# KiCad board IotFan.kicad_pcb
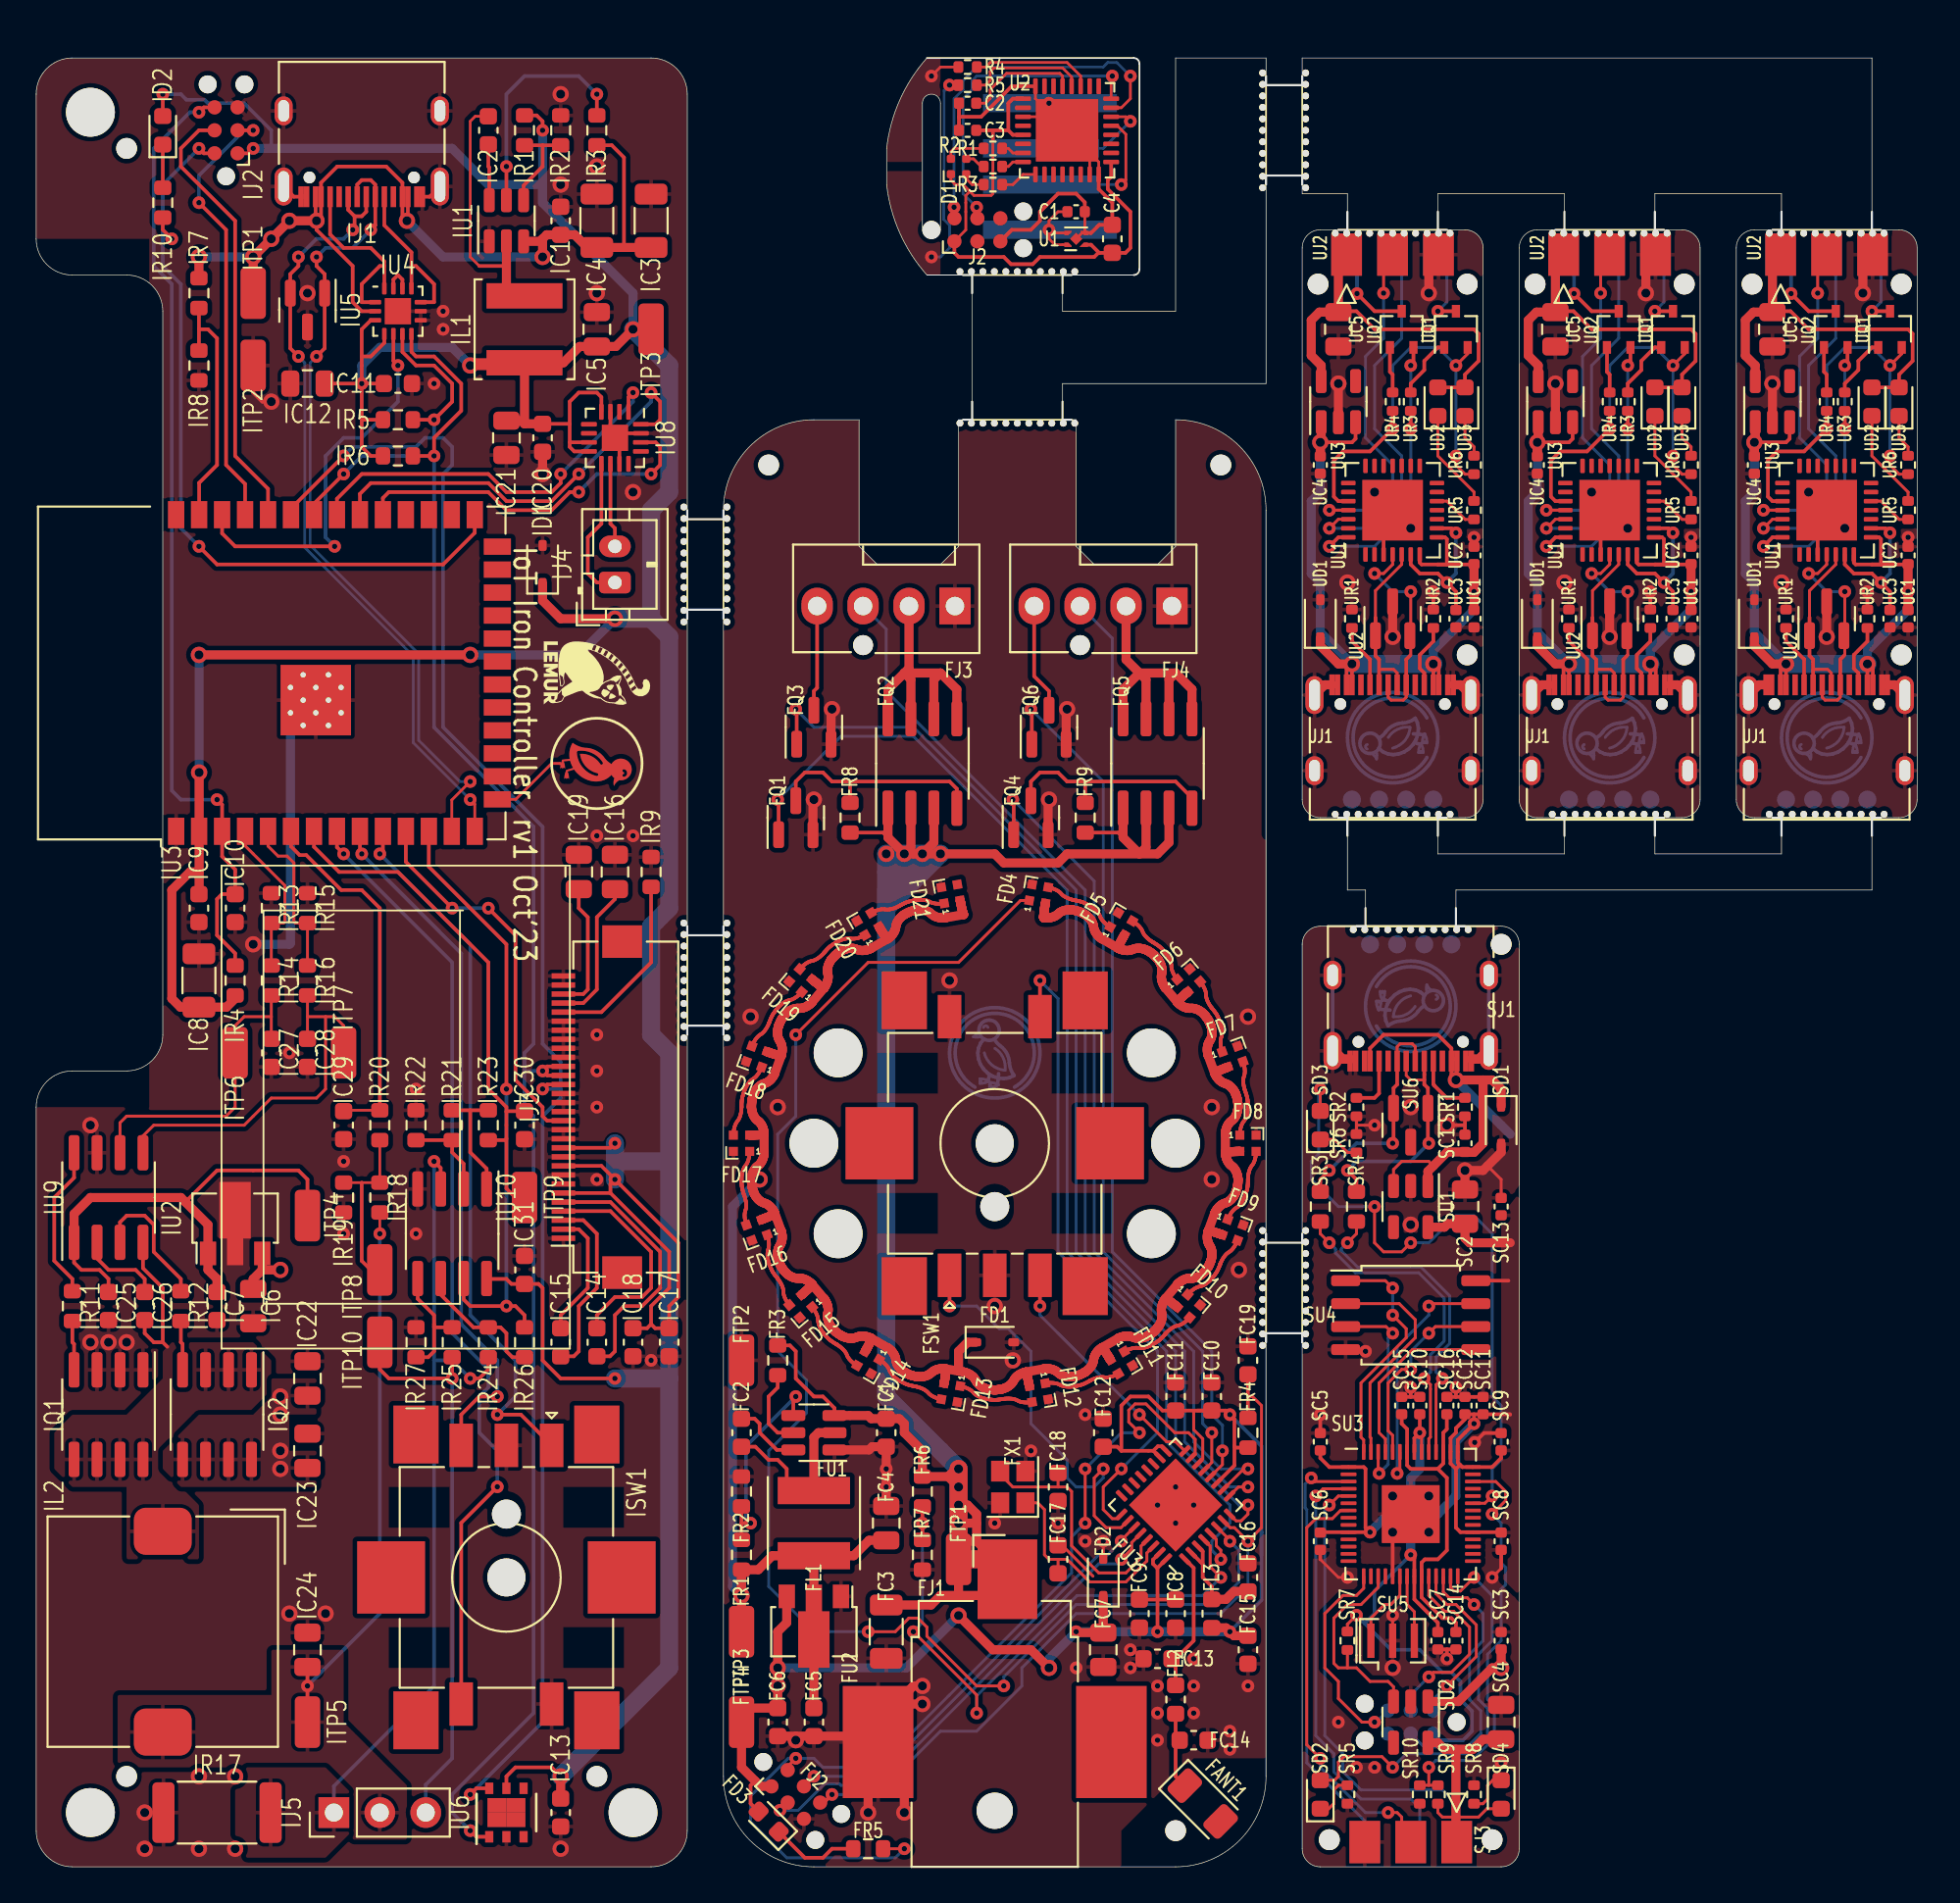
[diagram p0: board, top side]
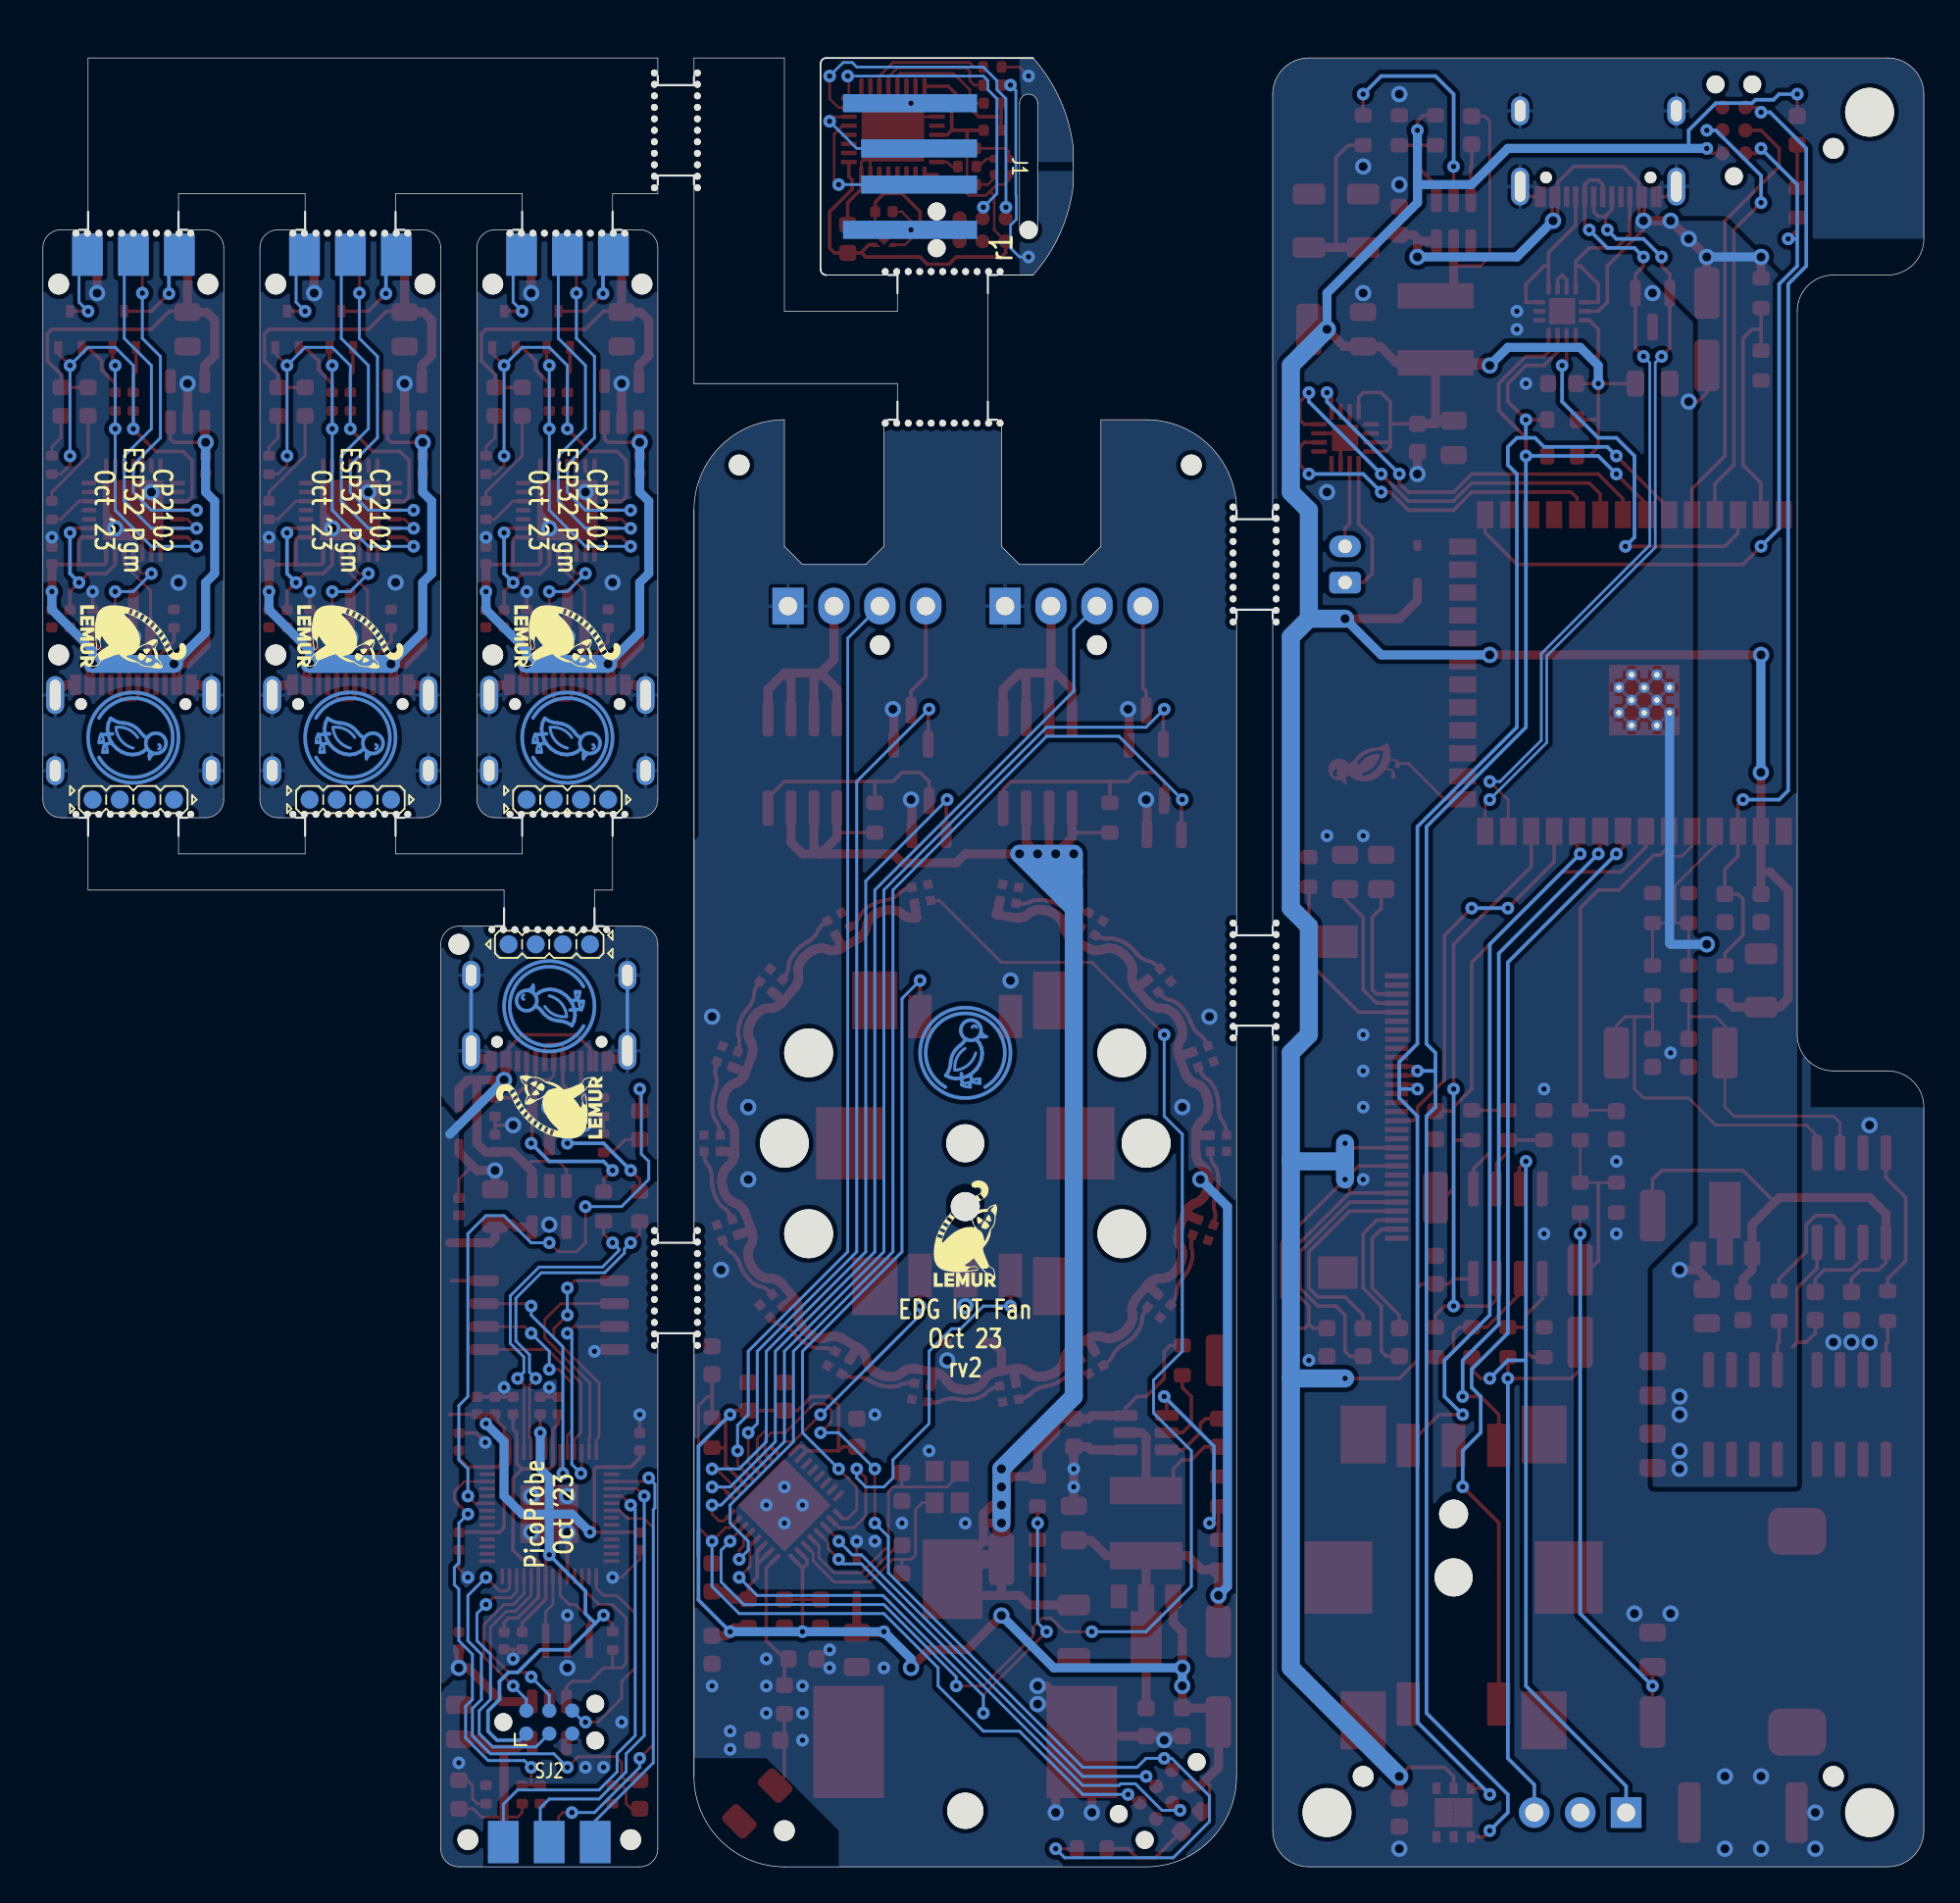
[diagram p1: board, bottom side, seen from below]

Outline 104 x 100 mm; copper layers: Front, Back. Coordinates in mm from the lower left corner of the outline.
Outline path: 36,75 36,98 arc(35.41,99.41) 34,100 2,100 arc(0.59,99.41) 0,98 0,90 arc(0.59,88.59) 2,88 5,88 arc(6.41,87.41) 7,86 7,46 arc(6.41,44.59) 5,44 2,44 arc(0.59,43.41) 0,42 0,2 arc(0.59,0.59) 2,0 34,0 arc(35.41,0.59) 36,2 36,46 ; 36,69 36,52 ; 38,75 arc(39.46,78.54) 43,80 45.5,80 45.5,73 46.5,72 50,72 51,73 51,80 51.25,80 ; 38,52 38,69 ; 38,46 38,5 arc(39.46,1.46) 43,0 63,0 arc(66.54,1.46) 68,5 68,29 ; 49.25,100 arc(47.75,97.67) 47.02,95 47.02,93 arc(47.75,90.33) 49.25,88 51.25,88 ; 51.75,81 51.75,87 ; 56.75,87 56.75,86 63,86 63,100 68,100 68,99 ; 56.75,81 56.75,82 68,82 68,93 ; 57.25,80 57.5,80 57.5,73 58.5,72 62,72 63,73 63,80 arc(66.54,78.54) 68,75 68,35 ; 60.69,88 57.25,88 ; 70,99 70,100 101.5,100 101.5,91.5 ; 70,93 70,92.5 72.5,92.5 72.5,91.5 ; 70,35 70,51 arc(70.29,51.71) 71,52 73,52 ; 70,29 70,1 arc(70.29,0.29) 71,0 81,0 arc(81.71,0.29) 82,1 82,51 arc(81.71,51.71) 81,52 79,52 ; 72,58 71,58 arc(70.29,58.29) 70,59 70,89.5 arc(70.29,90.21) 71,90.5 72,90.5 ; 72.5,57 72.5,54 73.5,54 73.5,53 ; 77.5,91.5 77.5,92.5 84.5,92.5 84.5,91.5 ; 77.5,57 77.5,56 84.5,56 84.5,57 ; 78,90.5 79,90.5 arc(79.71,90.21) 80,89.5 80,59 arc(79.71,58.29) 79,58 78,58 ; 78.5,53 78.5,54 101.5,54 101.5,57 ; 84,58 83,58 arc(82.29,58.29) 82,59 82,89.5 arc(82.29,90.21) 83,90.5 84,90.5 ; 89.5,91.5 89.5,92.5 96.5,92.5 96.5,91.5 ; 89.5,57 89.5,56 96.5,56 96.5,57 ; 90,90.5 91,90.5 arc(91.71,90.21) 92,89.5 92,59 arc(91.71,58.29) 91,58 90,58 ; 96,58 95,58 arc(94.29,58.29) 94,59 94,89.5 arc(94.29,90.21) 95,90.5 96,90.5 ; 102,90.5 103,90.5 arc(103.71,90.21) 104,89.5 104,59 arc(103.71,58.29) 103,58 102,58 ; 49,97.5 arc(49.5,98) 50,97.5 50,90.5 arc(49.5,90) 49,90.5 49,97.5
Stack: Front 0.035mm / dielectric 0.91mm FR4 er 4.5 / Back 0.035mm

## Placement (name value [footprint] x y rotation side)
C1  -  [C_0402_1005Metric]  57.5 91.5 0 top
C2  -  [C_0402_1005Metric]  51.5 97.5 180 top
C3  -  [C_0402_1005Metric]  51.5 96 180 top
C4  -  [C_0603_1608Metric]  59.5 90 90 top
D1  FC-B1010RGBT-HG (Foshan NationStar Optoelectronics)  [LED_Lumex_SML-LX0404SIUPGUSB]  51 94 90 top
FANT1  ANT3216LL00R2400A (YAGEO) - 1206 Antennas ROHS  [D_1206_3216Metric]  64.5 3.5 315 top
FC1  -  [C_0603_1608Metric]  47 24 270 top
FC2  -  [C_0603_1608Metric]  39 24 270 top
FC3  -  [C_1206_3216Metric]  47 13 270 top
FC4  -  [C_0805_2012Metric]  47 19 90 top
FC5  -  [C_0603_1608Metric]  43 8 270 top
FC6  -  [C_0603_1608Metric]  41 8 270 top
FC7  -  [C_0805_2012Metric]  59 12 270 top
FC8  -  [C_0603_1608Metric]  63 14 270 top
FC9  -  [C_0603_1608Metric]  61 14 270 top
FC10  -  [C_0603_1608Metric]  65 26 90 top
FC11  -  [C_0603_1608Metric]  63 26 90 top
FC12  -  [C_0603_1608Metric]  59 24 90 top
FC13  -  [C_0603_1608Metric]  62 11.5 180 top
FC14  -  [C_0603_1608Metric]  64 7 0 top
FC15  -  [C_0603_1608Metric]  67 12 270 top
FC16  -  [C_0603_1608Metric]  67 16 90 top
FC17  -  [C_0603_1608Metric]  56.5 17 90 top
FC18  -  [C_0603_1608Metric]  56.5 21 270 top
FC19  -  [C_0603_1608Metric]  67 28 90 top
FD1  BZT52C6V2S (Shandong Jingdao Microelectronics) - 3?A@4V 10? Single 5.8V~6.6V 200mW 6.2V SOD-323 Zener Diodes ROHS  [D_SOD-323]  53 29 0 top
FD2  BZT52B3V6S (SMC(Sangdest Microelectronicstronic (Nanjing))) - 5?A@1V 90? Single 3.53V~3.67V 200mW 3.6V SOD-323 Zener Diodes ROHS  [D_SOD-323]  59 16 90 top
FD3  KT-0603R (Hubei KENTO Elec) - Red 615~630nm 1.9~2.2V 0603 Light Emitting Diodes (LED) RoHS  [LED_0603_1608Metric]  40.5 2.5 135 top
FD4  SK6805-EC15 (Opsco Optoelectronics)  [LED_SK6812_EC15_1.5x1.5mm#2]  55.43 53.79 80 top
FD5  SK6805-EC15 (Opsco Optoelectronics)  [LED_SK6812_EC15_1.5x1.5mm]  60 52.12 60 top
FD6  SK6805-EC15 (Opsco Optoelectronics)  [LED_SK6812_EC15_1.5x1.5mm]  63.72 49 40 top
FD7  SK6805-EC15 (Opsco Optoelectronics)  [LED_SK6812_EC15_1.5x1.5mm#2]  66.16 44.79 20 top
FD8  SK6805-EC15 (Opsco Optoelectronics)  [LED_SK6812_EC15_1.5x1.5mm#2]  67 40 0 top
FD9  SK6805-EC15 (Opsco Optoelectronics)  [LED_SK6812_EC15_1.5x1.5mm#2]  66.16 35.21 340 top
FD10  SK6805-EC15 (Opsco Optoelectronics)  [LED_SK6812_EC15_1.5x1.5mm#3]  63.72 31 320 top
FD11  SK6805-EC15 (Opsco Optoelectronics)  [LED_SK6812_EC15_1.5x1.5mm#3]  60 27.88 300 top
FD12  SK6805-EC15 (Opsco Optoelectronics)  [LED_SK6812_EC15_1.5x1.5mm#2]  55.43 26.21 280 top
FD13  SK6805-EC15 (Opsco Optoelectronics)  [LED_SK6812_EC15_1.5x1.5mm#2]  50.57 26.21 260 top
FD14  SK6805-EC15 (Opsco Optoelectronics)  [LED_SK6812_EC15_1.5x1.5mm]  46 27.88 240 top
FD15  SK6805-EC15 (Opsco Optoelectronics)  [LED_SK6812_EC15_1.5x1.5mm]  42.28 31 220 top
FD16  SK6805-EC15 (Opsco Optoelectronics)  [LED_SK6812_EC15_1.5x1.5mm#2]  39.84 35.21 200 top
FD17  SK6805-EC15 (Opsco Optoelectronics)  [LED_SK6812_EC15_1.5x1.5mm#2]  39 40 180 top
FD18  SK6805-EC15 (Opsco Optoelectronics)  [LED_SK6812_EC15_1.5x1.5mm#2]  39.84 44.79 160 top
FD19  SK6805-EC15 (Opsco Optoelectronics)  [LED_SK6812_EC15_1.5x1.5mm#3]  42.28 49 140 top
FD20  SK6805-EC15 (Opsco Optoelectronics)  [LED_SK6812_EC15_1.5x1.5mm#3]  46 52.12 120 top
FD21  SK6805-EC15 (Opsco Optoelectronics)  [LED_SK6812_EC15_1.5x1.5mm#2]  50.57 53.79 100 top
FH1  -  [JlcToolingHole_1.152mm]  63 2 0 top
FH2  -  [JlcToolingHole_1.152mm]  65.5 77.5 0 top
FH3  -  [JlcToolingHole_1.152mm]  40.5 77.5 0 top
FJ1  PJ-036AH-SMT (CUI Devices)  [BarrelJack_CUI_PJ-036AH-SMT_Horizontal]  53 10.1 0 top
FJ2  -  [Tag-Connect_TC2030-IDC-NL_2x03_P1.27mm_Vertical]  42 4 315 top
FJ3  4-pin CPU fan connector  [FanPinHeader_1x04_P2.54mm_Vertical]  50.8 69.7 180 top
FJ4  4-pin CPU fan connector  [FanPinHeader_1x04_P2.54mm_Vertical]  62.8 69.7 180 top
FL1  -  [L_Taiyo-Yuden_NR-50xx]  43 19 270 top
FL2  -  [L_0603_1608Metric]  63 9.25 270 top
FL3  -  [L_0603_1608Metric]  65 14 90 top
FQ1  AO3400A (Alpha & Omega Semicon) - 30V 5.7A 26.5m?@10V,5.7A 1.4W 1.5V@250?A N Channel SOT-23-3L MOSFETs ROHS  [SOT-23]  42 58 90 top
FQ2  AO4407A (Alpha & Omega Semicon) - 30V 12A 3.1W 11m?@20V,12A 3V@250?A P Channel SOIC-8_150mil MOSFETs ROHS  [SOIC-8_3.9x4.9mm_P1.27mm]  49 61 90 top
FQ3  AO3400A (Alpha & Omega Semicon) - 30V 5.7A 26.5m?@10V,5.7A 1.4W 1.5V@250?A N Channel SOT-23-3L MOSFETs ROHS  [SOT-23]  43 63 90 top
FQ4  AO3400A (Alpha & Omega Semicon) - 30V 5.7A 26.5m?@10V,5.7A 1.4W 1.5V@250?A N Channel SOT-23-3L MOSFETs ROHS  [SOT-23]  55 58 90 top
FQ5  AO4407A (Alpha & Omega Semicon) - 30V 12A 3.1W 11m?@20V,12A 3V@250?A P Channel SOIC-8_150mil MOSFETs ROHS  [SOIC-8_3.9x4.9mm_P1.27mm]  62 61 90 top
FQ6  AO3400A (Alpha & Omega Semicon) - 30V 5.7A 26.5m?@10V,5.7A 1.4W 1.5V@250?A N Channel SOT-23-3L MOSFETs ROHS  [SOT-23]  56 63 90 top
FR1  -  [R_0603_1608Metric]  39 17.25 90 top
FR2  -  [R_0603_1608Metric]  39 20.75 90 top
FR3  -  [R_0603_1608Metric]  41 28 270 top
FR4  -  [R_0603_1608Metric]  67 24 90 top
FR5  -  [R_0603_1608Metric]  46 1 0 top
FR6  -  [R_0603_1608Metric]  49 20.75 270 top
FR7  -  [R_0603_1608Metric]  49 17.25 270 top
FR8  -  [R_0603_1608Metric]  45 58 90 top
FR9  -  [R_0603_1608Metric]  58 58 90 top
FSW1  EC11J1525402 (Alps Alpine)  [RotaryEncoder_Alps_EC11J15-Switch]  53 40 90 top
FTP1  5015 (Keystone) - v12  [TestPoint_TE_RCT_0805]  51 17 90 top
FTP2  5015 (Keystone) - gnd  [TestPoint_TE_RCT_0805]  39 28 270 top
FTP3  5015 (Keystone) - v5  [TestPoint_TE_RCT_0805]  39 13 90 top
FTP4  5015 (Keystone) - v3v3  [TestPoint_TE_RCT_0805]  39 8 270 top
FU1  TPS54202H (Texas Instruments)  [SOT-23-6]  43 24 180 top
FU2  AP7215-33YG-13 (Diodes Incorporated)  [SOT-89-3]  43 13 270 top
FU3  ESP32-C3FH4 (Espressif Systems)  [QFN-32-1EP_5x5mm_P0.5mm_EP3.65x3.65mm]  63 20 135 top
FX1  TXM40M0004252HBCEO00T (TAE(Zhejiang Abel Elec)) - SMD2520-4P Crystals ROHS  [Crystal_SMD_2520-4Pin_2.5x2.0mm]  54 21 90 top
H10  -  [MountingHole_2.7mm_M2.5]  3 97 270 top
H11  -  [MountingHole_2.7mm_M2.5]  33 3 270 top
H14  -  [MountingHole_2.7mm_M2.5]  3 3 270 top
IC1  -  [C_0603_1608Metric]  29 91 90 top
IC2  -  [C_0603_1608Metric]  25 96 90 top
IC3  -  [C_1206_3216Metric]  34 91 90 top
IC4  -  [C_1206_3216Metric]  31 91 90 top
IC5  -  [C_0805_2012Metric]  31 85 90 top
IC6  -  [C_0805_2012Metric]  12 31 270 top
IC7  -  [C_0603_1608Metric]  10 31 270 top
IC8  -  [C_1206_3216Metric]  9 49 90 top
IC9  -  [C_0603_1608Metric]  9 53 270 top
IC10  -  [C_0603_1608Metric]  11 53 270 top
IC11  -  [C_0603_1608Metric]  20 82 0 top
IC12  -  [C_0805_2012Metric]  15 82 180 top
IC13  -  [C_0603_1608Metric]  29 3 270 top
IC14  -  [C_0603_1608Metric]  31 29 270 top
IC15  -  [C_0603_1608Metric]  29 29 270 top
IC16  -  [C_0805_2012Metric]  32 55 90 top
IC17  -  [C_0603_1608Metric]  35 29 270 top
IC18  -  [C_0603_1608Metric]  33 29 270 top
IC19  -  [C_0805_2012Metric]  30 55 90 top
IC20  -  [C_0603_1608Metric]  28 79 270 top
IC21  -  [C_0805_2012Metric]  26 79 270 top
IC22  -  [C_0805_2012Metric]  15 27 90 top
IC23  -  [C_0805_2012Metric]  15 23 90 top
IC24  -  [C_0805_2012Metric]  15 12 90 top
IC25  -  [C_0603_1608Metric]  4 31 270 top
IC26  -  [C_0603_1608Metric]  6 31 270 top
IC27  -  [C_0603_1608Metric]  13 45 270 top
IC28  -  [C_0603_1608Metric]  15 45 270 top
IC29  -  [C_0603_1608Metric]  17 41 270 top
IC30  -  [C_0603_1608Metric]  27 41 270 top
IC31  -  [C_0603_1608Metric]  27 33 90 top
ID1  BZT52B3V6S (SMC(Sangdest Microelectronicstronic (Nanjing))) - 5?A@1V 90? Single 3.53V~3.67V 200mW 3.6V SOD-323 Zener Diodes ROHS  [D_SOD-323]  28 72 90 top
ID2  KT-0603R (Hubei KENTO Elec) - Red 615~630nm 1.9~2.2V 0603 Light Emitting Diodes (LED) RoHS  [LED_0603_1608Metric]  7 96 90 top
IH1  -  [JlcToolingHole_1.152mm]  31 5 270 top
IH2  -  [JlcToolingHole_1.152mm]  5 95 270 top
IH3  -  [JlcToolingHole_1.152mm]  5 5 270 top
IJ1  COM-15111 (Sparkfun)  [USB_C_Receptacle_XKB_U262-16XN-4BVC11]  18 96 180 top
IJ2  -  [Tag-Connect_TC2030-IDC-NL_2x03_P1.27mm_Vertical]  10.5 96 90 top
IJ3  AFC01-S30FCA-00 (Jushuo)  [Hirose_FH12-30S-0.5SH_1x30-1MP_P0.50mm_Horizontal]  31 42 90 top
IJ4  B2B-PH-K (JST)  [JST_PH_B2B-PH-K_1x02_P2.00mm_Vertical]  32 71 90 top
IJ5  PinHeader2.54 1x3 (Generic)  [PinHeader_1x03_P2.54mm_Vertical]  16.46 3 90 top
IL1  -  [L_Sunlord_SWPA5040S]  27 85 270 top
IL2  -  [L_TDK_SLF12565]  7 13 270 top
IQ1  IRF7458TRPBF (Infineon Technologies) - 30V 14A 8m?@16V,14A 2.5W 4V@250?A N Channel SOIC-8_150mil MOSFETs ROHS  [SOIC-8_3.9x4.9mm_P1.27mm]  4 25 270 top
IQ2  IRF7458TRPBF (Infineon Technologies) - 30V 14A 8m?@16V,14A 2.5W 4V@250?A N Channel SOIC-8_150mil MOSFETs ROHS  [SOIC-8_3.9x4.9mm_P1.27mm]  10 25 270 top
IR1  -  [R_0603_1608Metric]  27 96 270 top
IR2  -  [R_0603_1608Metric]  29 96 90 top
IR3  -  [R_0603_1608Metric]  31 96 90 top
IR4  -  [R_0603_1608Metric]  11 49 90 top
IR5  -  [R_0603_1608Metric]  20 80 0 top
IR6  -  [R_0603_1608Metric]  20 78 0 top
IR7  -  [R_0603_1608Metric]  9 87 270 top
IR8  -  [R_0603_1608Metric]  9 83 270 top
IR9  -  [R_0603_1608Metric]  34 55 90 top
IR10  -  [R_0603_1608Metric]  7 92 270 top
IR11  -  [R_0603_1608Metric]  2 31 270 top
IR12  -  [R_0603_1608Metric]  8 31 270 top
IR13  -  [R_0603_1608Metric]  13 53 270 top
IR14  -  [R_0603_1608Metric]  13 49 270 top
IR15  -  [R_0603_1608Metric]  15 53 270 top
IR16  -  [R_0603_1608Metric]  15 49 270 top
IR17  -  [R_2512_6332Metric]  10 3 0 top
IR18  -  [R_0603_1608Metric]  19 37 90 top
IR19  -  [R_0603_1608Metric]  17 37 270 top
IR20  -  [R_0603_1608Metric]  19 41 90 top
IR21  -  [R_0603_1608Metric]  23 41 270 top
IR22  -  [R_0603_1608Metric]  21 41 90 top
IR23  -  [R_0603_1608Metric]  25 41 270 top
IR24  -  [R_0603_1608Metric]  25 29 90 top
IR25  -  [R_0603_1608Metric]  23 29 90 top
IR26  -  [R_0603_1608Metric]  27 29 270 top
IR27  -  [R_0603_1608Metric]  21 29 270 top
ISW1  EC11J1525402 (Alps Alpine)  [RotaryEncoder_Alps_EC11J15-Switch]  26 16 270 top
ITP1  5015 (Keystone) - vusb  [TestPoint_TE_RCT_0805]  12 87 270 top
ITP2  5015 (Keystone) - gnd  [TestPoint_TE_RCT_0805]  12 83 270 top
ITP3  5015 (Keystone) - v3v3  [TestPoint_TE_RCT_0805]  34 85 90 top
ITP4  5015 (Keystone) - vgate  [TestPoint_TE_RCT_0805]  15 36 270 top
ITP5  5015 (Keystone) - conv_out  [TestPoint_TE_RCT_0805]  15 8 270 top
ITP6  5015 (Keystone) - _low_rc_output_link  [TestPoint_TE_RCT_0805]  11 45 270 top
ITP7  5015 (Keystone) - _high_rc_output_link  [TestPoint_TE_RCT_0805]  17 45 270 top
ITP8  5015 (Keystone) - _vsense_output_link  [TestPoint_TE_RCT_0805]  19 33 270 top
ITP9  5015 (Keystone) - _tp_i_output_link  [TestPoint_TE_RCT_0805]  27 37 270 top
ITP10  5015 (Keystone) - _tamp_input_positive_link  [TestPoint_TE_RCT_0805]  19 29 270 top
IU1  TPS54202H (Texas Instruments)  [SOT-23-6]  26 91 90 top
IU2  L78L12AC (STMicroelectronics)  [SOT-89-3]  11 35.86 90 top
IU3  ESP32-S3-WROOM-1-N16R8 (Espressif Systems)  [ESP32-S3-WROOM-1]  13 66 90 top
IU4  FUSB302B11MPX (ON Semiconductor)  [WQFN-14-1EP_2.5x2.5mm_P0.5mm_EP1.45x1.45mm]  20 86 0 top
IU5  PESD5V0X1BT (Nexperia)  [SOT-23]  15 86.06 270 top
IU6  HDC1080 (Texas Instruments)  [WSON-6-1EP_3x3mm_P0.95mm]  26 3 90 top
IU7  ER-OLED-0.96-1.1 (EastRising)  [Lcd_Er_Oled0.96_1.1_Outline]  18 42 90 top
IU8  MAX98357AETE+T (Maxim Integrated)  [QFN-16-1EP_3x3mm_P0.5mm_EP1.45x1.45mm]  32 79 270 top
IU9  UCC27282DR (Texas Instruments)  [SOIC-8_3.9x4.9mm_P1.27mm]  4 37 90 top
IU10  OPA2333AIDR (Texas Instruments)  [SOIC-8_3.9x4.9mm_P1.27mm]  23 35 270 top
J1  USB A pads  [USB_A_Pads]  61 94 90 bottom
J2  -  [Tag-Connect_TC2030-IDC-NL_2x03_P1.27mm_Vertical]  52.04 90.5 0 top
R1  -  [R_0402_1005Metric]  52.9 95 0 top
R2  -  [R_0402_1005Metric]  52.9 94 0 top
R3  -  [R_0402_1005Metric]  52.9 93 0 top
R4  -  [R_0402_1005Metric]  51.5 99.5 180 top
R5  -  [R_0402_1005Metric]  51.5 98.5 180 top
REF**  MouseBites  [MouseBites_Recessed]  37 72 90 top
REF**#2  MouseBites  [HalfMouseBites_Recessed]  75 91.5 180 top
REF**#3  MouseBites  [HalfMouseBites_Recessed]  54.25 81 180 top
REF**#4  MouseBites  [MouseBites_Recessed]  69 96 90 top
REF**#5  MouseBites  [HalfMouseBites_Recessed]  76 53 180 top
REF**#6  -  [MountingHole_2.7mm_M2.5]  61.66 45 0 top
REF**#7  MouseBites  [MouseBites_Recessed]  69 32 90 top
REF**#8  -  [MountingHole_2.7mm_M2.5]  61.66 35 0 top
REF**#9  MouseBites  [HalfMouseBites_Recessed]  99 91.5 180 top
REF**#10  MouseBites  [MouseBites_Recessed]  37 49 90 top
REF**#11  MouseBites  [HalfMouseBites_Recessed]  87 91.5 180 top
REF**#12  -  [MountingHole_2.7mm_M2.5]  43 40 0 top
REF**#13  -  [MountingHole_2.7mm_M2.5]  44.34 35 0 top
REF**#14  MouseBites  [HalfMouseBites_Recessed]  75 57 0 top
REF**#15  -  [MountingHole_2.7mm_M2.5]  63 40 0 top
REF**#16  MouseBites  [HalfMouseBites_Recessed]  54.25 87 0 top
REF**#17  MouseBites  [HalfMouseBites_Recessed]  99 57 0 top
REF**#18  MouseBites  [HalfMouseBites_Recessed]  87 57 0 top
REF**#19  -  [MountingHole_2.7mm_M2.5]  44.34 45 0 top
SC1  -  [C_0402_1005Metric]  79 40 90 top
SC2  -  [C_0805_2012Metric]  79 36.5 90 top
SC3  -  [C_0402_1005Metric]  81 12.5 90 top
SC4  -  [C_0805_2012Metric]  81 8 90 top
SC5  -  [C_0402_1005Metric]  71 23.5 90 top
SC6  -  [C_0402_1005Metric]  71 18 270 top
SC7  -  [C_0402_1005Metric]  77.5 12.5 270 top
SC8  -  [C_0402_1005Metric]  81 18 270 top
SC9  -  [C_0402_1005Metric]  81 23.5 90 top
SC10  -  [C_0402_1005Metric]  76.5 25.5 90 top
SC11  -  [C_0402_1005Metric]  80 25.5 90 top
SC12  -  [C_0402_1005Metric]  79 25.5 90 top
SC13  -  [C_0402_1005Metric]  81 36.5 90 top
SC14  -  [C_0402_1005Metric]  78.5 12.5 270 top
SC15  -  [C_0402_1005Metric]  75.5 25.5 90 top
SC16  -  [C_0402_1005Metric]  78 25.5 90 top
SD1  BZT52-B5V6S_R1_00001 (PANJIT International) - 100nA@1V 40? Single 5.49V~5.71V 200mW 5.6V SOD-323 Zener Diodes ROHS  [D_SOD-323]  81 41 270 top
SD2  -  [LED_0603_1608Metric]  71 4 90 top
SD3  C2290 (Hubei KENTO Elec) - White 0603 Light Emitting Diodes (LED) RoHS  [LED_0603_1608Metric]  71 41 90 top
SD4  -  [LED_0603_1608Metric]  81 4 270 top
SH1  -  [JlcToolingHole_1.152mm]  80.5 1.5 270 top
SH2  -  [JlcToolingHole_1.152mm]  81 51 270 top
SH3  -  [JlcToolingHole_1.152mm]  71.5 1.5 270 top
SJ1  COM-15111 (Sparkfun)  [USB_C_Receptacle_XKB_U262-16XN-4BVC11]  76 48.22 180 top
SJ2  -  [Tag-Connect_TC2030-IDC-NL_2x03_P1.27mm_Vertical]  76 8 180 bottom
SJ3  PinHeader2.54 Shrouded 2x3 (Generic)  [PinHeader_2x03_P2.54mm_EdgeInline]  76 0 270 top
SR1  -  [R_0402_1005Metric]  79 42 90 top
SR2  -  [R_0402_1005Metric]  73 42 90 top
SR3  -  [R_0603_1608Metric]  71 36.5 90 top
SR4  -  [R_0603_1608Metric]  73 36.5 90 top
SR5  -  [R_0402_1005Metric]  72.5 4 270 top
SR6  -  [R_0402_1005Metric]  73 40 90 top
SR7  -  [R_0402_1005Metric]  72.5 12.5 270 top
SR8  -  [R_0402_1005Metric]  79.5 4 90 top
SR9  -  [R_0402_1005Metric]  77.5 4 90 top
SR10  -  [R_0402_1005Metric]  76.5 4 270 top
SU1  AP2204K-3.3 (Diodes Incorporated)  [SOT-23-5]  76 36.5 270 top
SU2  AP2204K-3.3 (Diodes Incorporated)  [SOT-23-5]  76 8 270 top
SU3  RP2040 (Raspberry Pi)  [QFN-56-1EP_7x7mm_P0.4mm_EP3.2x3.2mm]  76 19.5 0 top
SU4  W25Q128JVSIQ (Winbond Electronics)  [SOIC-8_5.23x5.23mm_P1.27mm]  76 30.5 0 top
SU5  CSTNE12M0GH5L000R0 (Murata Electronics)  [Resonator_SMD_Murata_CSTxExxV-3Pin_3.0x1.1mm]  75 12.5 0 top
SU6  PESD5V0X1BT (Nexperia)  [SOT-23]  76 41 270 top
svg2mod  G***  [Symbol_DucklingSolid]  31 61 270 top
U1  LP5907SNX-3.3/NOPB (Texas Instruments)  [UDFN-4-1EP_1x1mm_P0.65mm_EP0.48x0.48mm]  57.5 90 180 top
U2  STM32L432Kxxx (STMicroelectronics)  [QFN-32-1EP_5x5mm_P0.5mm_EP3.45x3.45mm]  57 96 0 top
UC1  -  [C_0402_1005Metric]  79.5 69 270 top
UC1#2  -  [C_0402_1005Metric]  103.5 69 270 top
UC1#3  -  [C_0402_1005Metric]  91.5 69 270 top
UC2  -  [C_0402_1005Metric]  91.5 72.5 90 top
UC2#2  -  [C_0402_1005Metric]  79.5 72.5 90 top